# Altium PCB Ixora.PcbDoc (part 9 of 13)
Units mm, origin at the board's own origin, x right, y up, seen from the top; angles counter-clockwise.
Board outline 125 x 90 mm, 6 copper layers (Top Layer, GND, Mid-Layer 1, Mid-Layer 2, POWER, Bottom Layer), stack 1.561 mm thick; 454 components, 512 nets, 2071 pads, 863 vias.
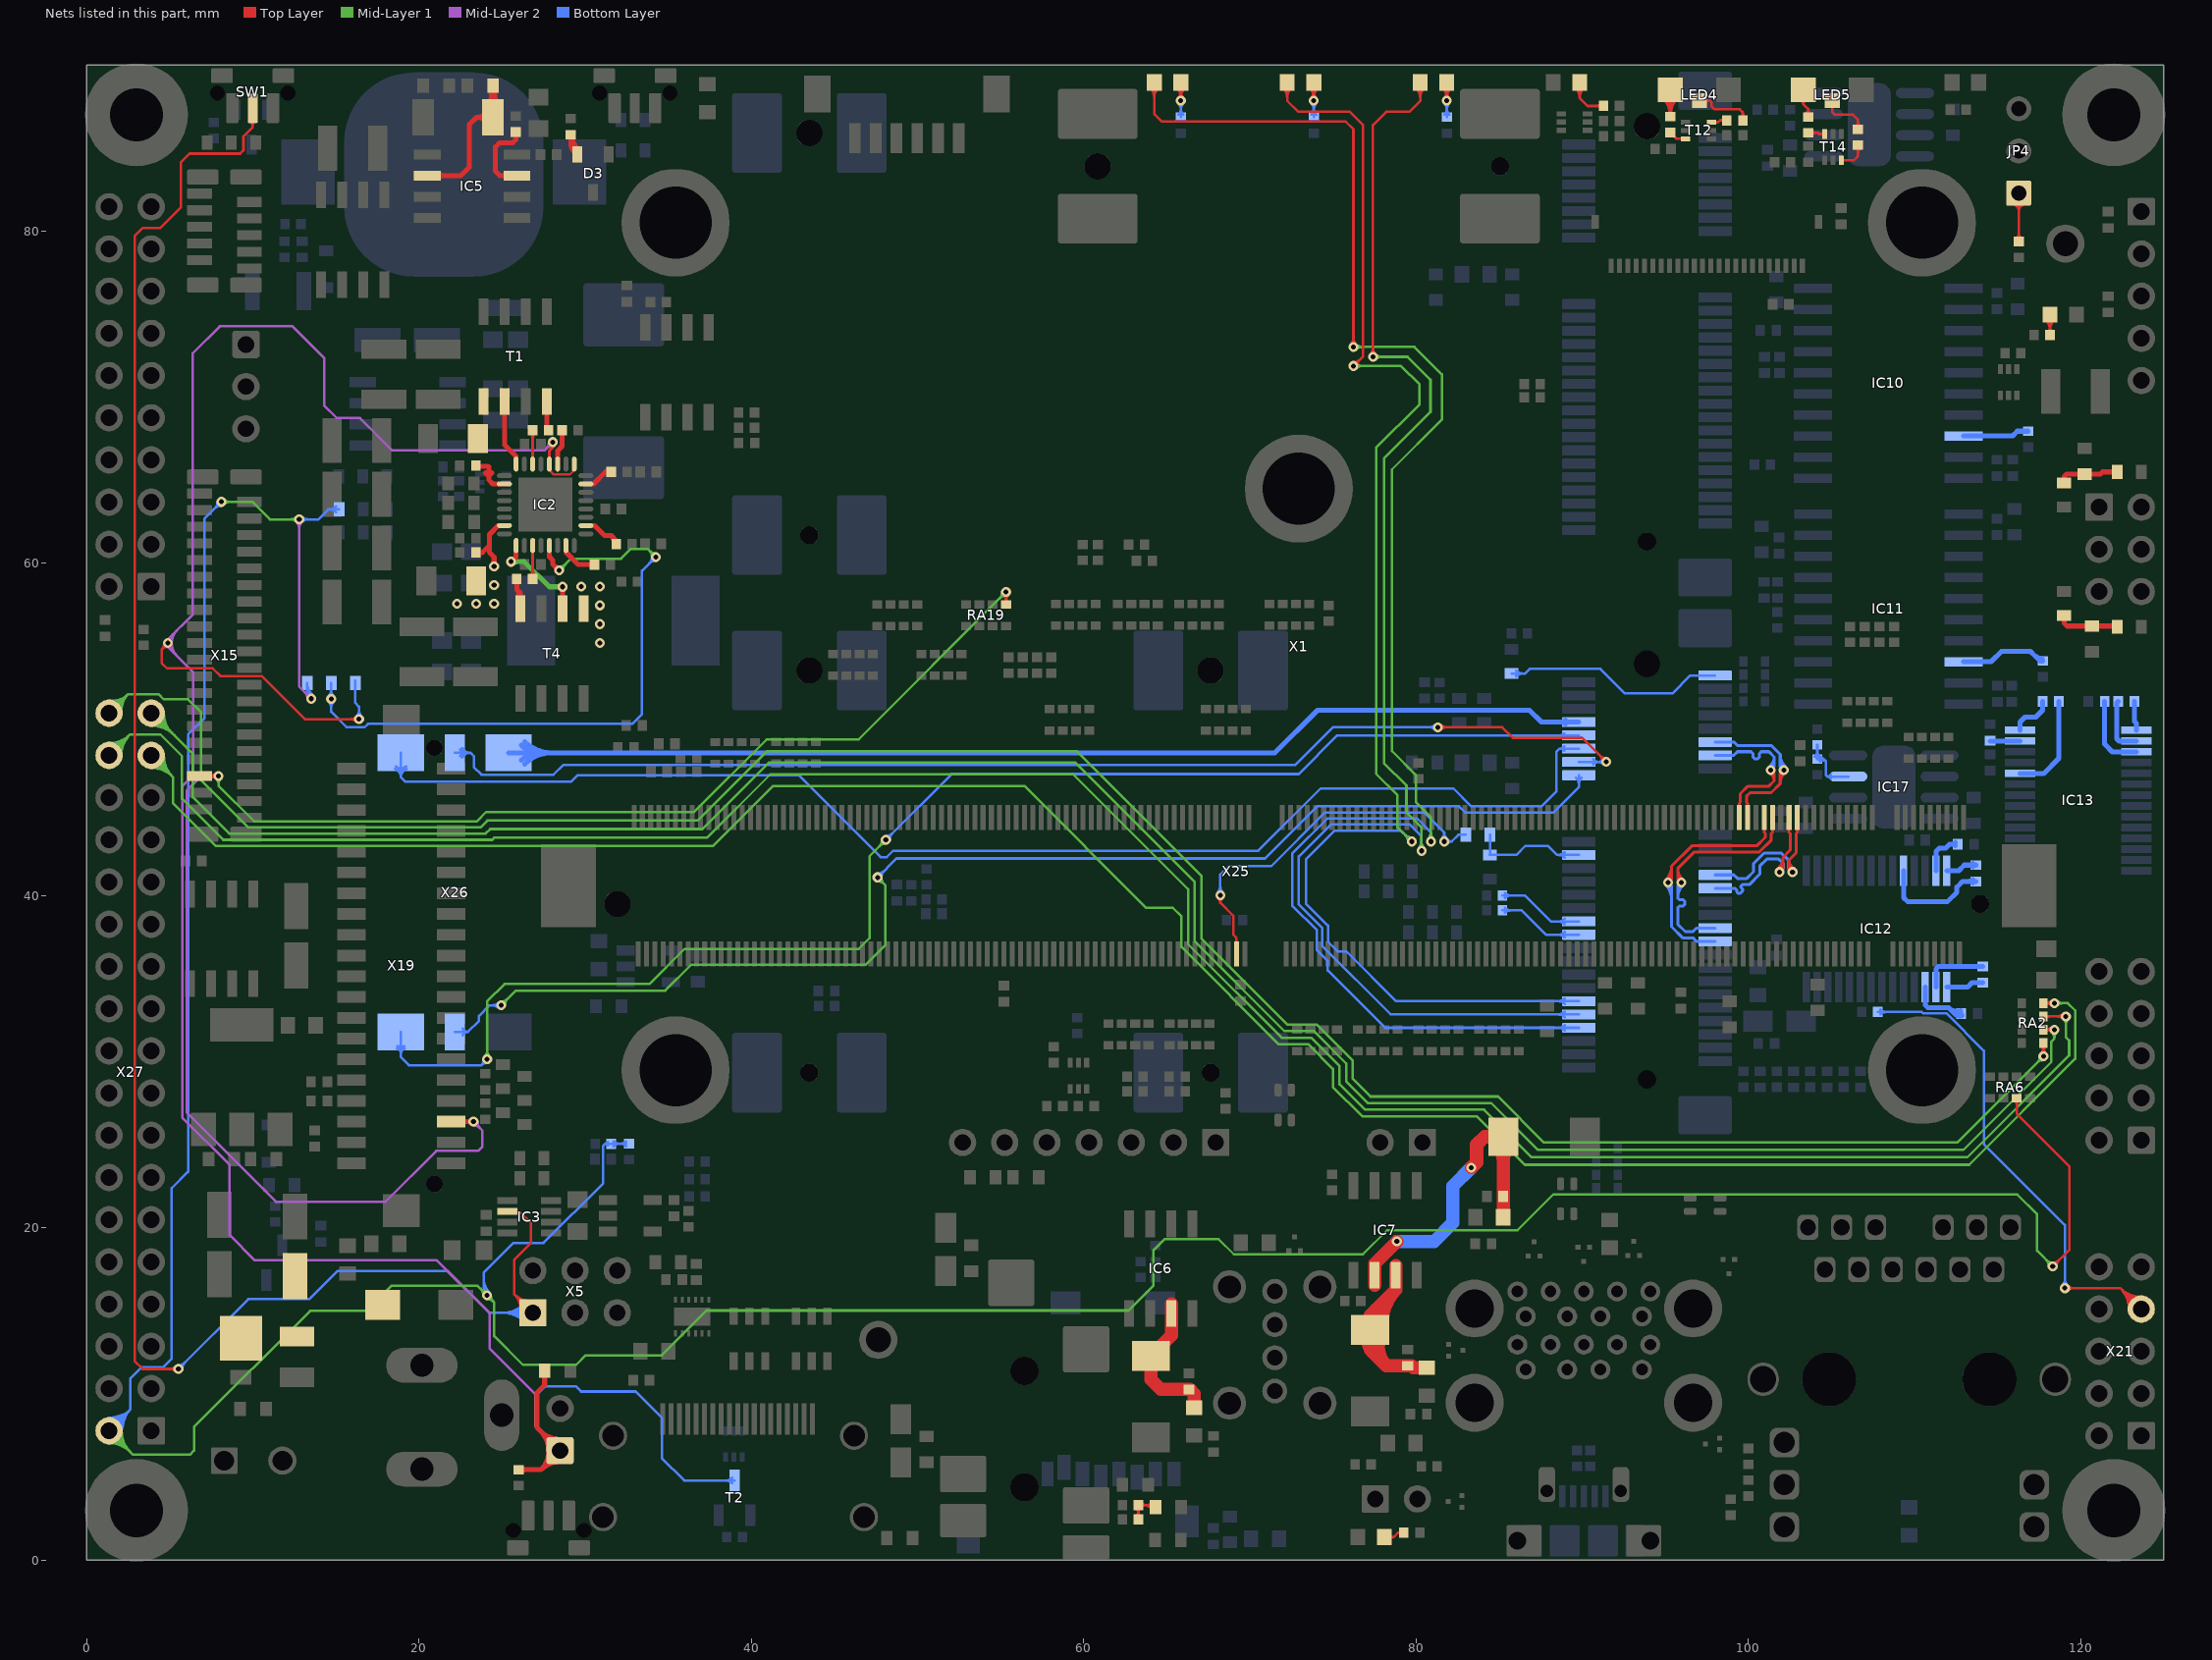
[diagram p13: the nets of this part, all layers, seen from the top]

## Via types
v1: diameter 0.6, hole 0.3, Top Layer to Bottom Layer, tented both sides, 852 vias
v2: diameter 0.6, hole 0.3, Top Layer to Bottom Layer, 11 vias

## Nets (pads, with @x,y where several pads share a name; then routed paths per layer and width w, separated by ;. In a path a pad name is that pad's centre, name@x,y a point inside that pad or via, vN(x,y) a via of type N, cw(c..) or ccw(c..) an arc to the next point about the centre after c; other vN are vias at no path point) (continued)
NetC49_1: C49.1 IC5.2 OSC1.1 | length 14.9
  Top Layer w0.3: IC5.2@20.508,83.337 22.53,83.337 23.038,83.845 23.038,86.411 23.473,86.846 ; IC5.2@21.216,83.231 cw(c21.472,82.975) 21.472,83.337 cw(c21.472,83.7) IC5.2@21.216,83.443 ; OSC1.1@24.065,86.548 ccw(c23.473,86.109) 23.473,86.846 ; OSC1.1@24.065,87.144 cw(c23.473,87.583) 23.473,86.846 ; OSC1.1@24.113,87.65 ccw(c23.259,88.503) 24.466,88.503 ccw(c25.673,88.503) OSC1.1@24.82,87.65 ; C49.1@24.293,88.585 cw(c23.736,88.263) 24.357,88.097 ; C49.1@24.325,88.544 cw(c23.984,88.202) 24.466,88.202 cw(c24.949,88.202) C49.1@24.608,88.544 ; C49.1@24.366,88.512 cw(c24.205,88.233) 24.516,88.316 ; 24.416,88.316 cw(c24.727,88.233) C49.1@24.566,88.512 ; C49.1@24.466,88.76 OSC1.1@24.466,86.846 23.473,86.846 ; 24.575,88.097 cw(c25.197,88.263) C49.1@24.64,88.585
NetC56_2: C56.2 C57.1 IC6.7 L11.1 | length 8.8
  Top Layer w0.8: IC6.7@65.285,15.42 IC6.7@65.285,14.85 65.285,13.535 C57.1@64.05,12.3 64.05,10.88 64.643,10.287 66.396,10.287 66.65,10.033 L11.1@66.65,9.19
NetC59_2: C59.2 C60.1 IC7.6 L12.1 | length 22.7
  Top Layer w0.8: IC7.6@77.515,16.55 IC7.6@77.515,17.15 77.515,17.856 v1(78.85,19.191) ; v1(83.331,23.635) 83.65,23.954 83.65,25.02 84.13,25.5 ; C60.1@84.878,25.166 ccw(c84.13,24.496) 84.13,25.5 ; C60.1@84.878,25.834 cw(c84.13,26.504) 84.13,25.5 ; C60.1@84.896,24.896 cw(c84.043,24.043) 85.25,24.043 cw(c86.457,24.043) C60.1@85.604,24.896 ; L12.1@85.25,20.55 L12.1@85.25,20.65 C59.2@85.25,21.9 C60.1@85.25,25.5 84.13,25.5
  Bottom Layer w0.8: v1(78.85,19.191) 81.091,19.191 82.22,20.32 82.22,22.524 v1(83.331,23.635)
NetC62_2: C62.2 C63.1 IC7.7 L16.1 | length 19.2
  Top Layer w0.8: C63.1@76.898,13.519 cw(c76.06,12.674) 77.25,12.674 ; C63.1@77.203,13.834 cw(c78.745,14.044) 77.644,15.144 ; C63.1@77.237,14.018 ccw(c78.385,13.39) 77.459,12.465 ; C63.1@77.602,13.519 ccw(c78.44,12.674) 77.25,12.674 ; C63.1@77.939,13.634 ccw(c79.36,12.856) 78.214,11.71 ; C63.1@77.995,13.942 cw(c80.752,14.317) 78.785,16.285 ; IC7.7@78.785,17.75 IC7.7@78.785,17.15 78.785,16.285 ; L16.1@80.65,11.59 79.863,11.59 79.743,11.71 C62.2@79.5,11.71 78.214,11.71 77.25,12.674 ; 77.25,12.674 C63.1@77.25,13.874 77.25,14.75 78.785,16.285
NetC112_2: C112.2 R107.1 R108.1 | length 3.7
  Top Layer w0.3: R107.1@119,64.83 119,65.225 119.146,65.371 C112.2@120.245,65.371 121.185,65.371 121.314,65.5 R108.1@122.19,65.5
NetC121_2: C121.2 R113.1 R114.1 | length 3.7
  Top Layer w0.3: R114.1@119,56.85 119,56.4 119.175,56.225 C121.2@120.685,56.225 R113.1@122.147,56.225
NetC123_1: C123.1 IC12.3 | length 5.3
  Bottom Layer w0.3: IC12.3@110.643,34.5 110.643,33.415 110.808,33.25 112.05,33.25 ; 112.401,32.9 ccw(c112.722,33.221) C123.1@112.858,32.787 ; C123.1@112.711,32.801 ccw(c112.472,32.562) 112.472,32.9 ccw(c112.472,33.238) C123.1@112.711,32.999 ; C123.1@112.768,33.074 cw(c112.555,33.755) 112.05,33.25 ; C123.1@112.81,32.9 112.4,32.9 112.05,33.25
NetC124_2: C124.2 IC12.27 | length 3
  Bottom Layer w0.3: IC12.27@111.293,41.5 111.293,42.662 111.481,42.85 111.862,42.85 112.112,43.1 C124.2@112.428,43.1 ; C124.2@112.456,43.001 ccw(c112.217,42.762) 112.217,43.1 ccw(c112.217,43.438) C124.2@112.456,43.199
NetC125_1: C125.1 IC12.24 | length 7.3
  Bottom Layer w0.3: IC12.24@109.343,41.5 109.343,39.882 109.575,39.65 111.989,39.65 112.548,40.208 112.548,40.513 112.894,40.86 C125.1@113.697,40.86 ; C125.1@113.507,40.761 ccw(c113.268,40.522) 113.268,40.86 ccw(c113.268,41.198) C125.1@113.507,40.959
NetC125_2: C125.2 IC12.28 | length 2.4
  Bottom Layer w0.3: IC12.28@111.943,41.5 112.659,41.5 112.999,41.84 C125.2@113.697,41.84 ; C125.2@113.507,41.741 ccw(c113.268,41.502) 113.268,41.84 ccw(c113.268,42.178) C125.2@113.507,41.939
NetC126_1: C126.1 IC12.2 | length 4
  Bottom Layer w0.3: IC12.2@111.293,34.5 111.293,35.601 111.432,35.74 C126.1@114.1,35.74
NetC126_2: C126.2 IC12.1 | length 2.3
  Bottom Layer w0.3: IC12.1@111.943,34.5 113.2,34.5 113.46,34.76 C126.2@114.1,34.76
NetC128_1: C128.1 IC13.3 | length 4.7
  Bottom Layer w0.3: C128.1@121.44,51.7 121.44,49.12 121.906,48.654 IC13.3@123.35,48.654
NetC129_2: C129.2 IC13.27 | length 1.8
  Bottom Layer w0.3: C129.2@114.545,49.304 IC13.27@116.35,49.304
NetC130_1: C130.1 IC13.2 | length 3.5
  Bottom Layer w0.3: C130.1@122.26,51.7 122.175,51.615 122.175,49.45 122.321,49.304 IC13.2@123.35,49.304
NetC130_2: C130.2 IC13.1 | length 1.8
  Bottom Layer w0.3: C130.2@123.24,51.7 123.24,50.485 123.35,50.375 IC13.1@123.35,49.954
NetC131_1: C131.1 IC13.24 | length 6.2
  Bottom Layer w0.3: IC13.24@116.35,47.354 117.778,47.354 118.69,48.266 C131.1@118.69,51.7
NetC131_2: C131.2 IC13.28 | length 2.7
  Bottom Layer w0.3: IC13.28@116.35,49.954 116.35,50.454 116.646,50.75 117.3,50.75 117.71,51.16 C131.2@117.71,51.7
NetC132_1: C132.1 R148.1 R149.2 | length 5.7
  Top Layer w0.15: R148.1@63.146,2.637 ccw(c62.787,2.996) 63.294,2.996 ccw(c63.801,2.996) R148.1@63.443,2.637 ; R149.2@63.146,3.154 cw(c62.787,2.795) 63.294,2.795 cw(c63.801,2.795) R149.2@63.443,3.154 ; R148.1@63.294,2.464 R149.2@63.294,3.327 64.326,3.327 C132.1@64.328,3.325 ; R149.2@63.443,3.179 cw(c63.801,2.82) 63.801,3.327 cw(c63.801,3.834) R149.2@63.443,3.476 ; R149.2@63.566,3.327 cw(c63.566,2.529) C132.1@64.131,3.094 ; 63.756,3.327 ccw(c63.756,3.857) C132.1@64.131,3.483 ; 63.929,3.327 cw(c63.929,2.891) C132.1@64.237,3.2
NetD1_1: D1.1 D2.1 F1.2 L1.1
NetD3_2: D3.2 R38.1 | length 4.8
  Top Layer w0.3: R38.1@29.053,85.708 cw(c28.823,85.478) 29.149,85.478 cw(c29.475,85.478) R38.1@29.244,85.708 ; R38.1@29.106,85.687 cw(c28.951,85.418) 29.251,85.498 ; 29.149,85.278 ccw(c29.88,85.278) D3.2@29.44,84.695 ; 29.257,85.478 cw(c29.586,85.566) R38.1@29.291,85.736 ; D3.2@29.269,85.081 cw(c29.002,84.814) D3.2@29.38,84.814 ; D3.2@29.285,85.066 ccw(c29.53,85.311) D3.2@29.53,84.964 ; D3.2@29.53,84.614 29.53,84.821 29.149,85.202 29.149,85.88 ccw(c30.334,85.88) D3.2@29.62,84.934
NetIC2_2: IC2.2 R22.2 | length 2.9
  Top Layer w0.3: IC2.2@30.05,62.275 30.575,62.275 31.179,61.671 31.569,61.671 ; R22.2@31.74,61.203 ccw(c31.15,61.253) 31.569,61.671 ; R22.2@31.875,61.167 31.875,61.365 31.569,61.671
NetIC2_7: IC2.7 R10.2 | length 1.8
  Top Layer w0.3: IC2.7@30.05,64.775 30.507,64.775 31.232,65.5 R10.2@31.57,65.5
NetIC2_11: IC2.11 R6.1 | length 2.7
  Top Layer w0.3: IC2.11@28.35,65.975 28.35,66.778 28.62,67.048 R6.1@28.62,68.025 ; R6.1@28.525,67.905 cw(c28.294,67.674) 28.62,67.674 cw(c28.946,67.674) R6.1@28.715,67.905
NetIC2_14: IC2.14 R4.1 | length 2.8
  Top Layer w0.19: R4.1@26.716,67.866 cw(c26.391,67.541) 26.85,67.541 cw(c27.309,67.541) R4.1@26.984,67.866 ; IC2.14@26.85,65.975 R4.1@26.85,68.025
NetIC2_16: IC2.16 T1.2 | length 4.8
  Top Layer w0.3: T1.2@25.064,69.144 cw(c24.808,68.888) 25.17,68.888 cw(c25.532,68.888) T1.2@25.276,69.144 ; T1.2@25.315,69.895 T1.2@25.17,69.75 25.17,67.118 25.85,66.438 IC2.16@25.85,65.975
NetIC2_18: IC2.18 R9.1 R12.1 T1.1 | length 3.2
  Top Layer w0.3: R12.1@23.43,65.85 24.168,65.85 24.206,65.811 24.206,65.253 ; 24.016,65.443 24.206,65.253 ; 24.397,65.443 24.206,65.253 ; IC2.18@25.15,64.775 24.455,64.775 24.206,65.024 24.206,65.253
NetIC2_23: IC2.23 R21.1 R23.1 T4.1 | length 4.1
  Top Layer w0.3: R23.1@23.43,60.65 23.82,60.65 24.244,61.074 ; v1(24.526,59.817) 24.526,60.384 24.25,60.66 24.25,61.741 24.784,62.275 IC2.23@25.15,62.275
  other v1: 30.898,55.216 30.898,56.344 30.898,57.472 22.3,57.575 23.45,57.575 24.526,57.575 29.77,58.6 30.898,58.6 24.526,58.69
NetIC2_25: IC2.25 T4.2 | length 9.2
  Top Layer w0.3: v1(25.55,60.1) 25.85,60.4 IC2.25@25.85,61.075 ; v1@25.55,60.25 ccw(c25.55,60.612) 25.806,60.356 ccw(c26.062,60.1) v1@25.7,60.1 ; T4.2@28.544,57.885 ccw(c28.288,58.141) 28.65,58.141 ccw(c29.012,58.141) T4.2@28.756,57.885 ; v1@28.544,58.484 cw(c28.288,58.228) 28.65,58.228 cw(c29.012,58.228) v1@28.756,58.484 ; T4.2@28.65,57.05 T4.2@28.65,57.279 v1(28.65,58.59)
  Mid-Layer 1 w0.3: v1(25.55,60.1) 26.336,60.1 27.846,58.59 v1(28.65,58.59) ; v1@25.656,59.994 cw(c25.912,59.738) 25.912,60.1 cw(c25.912,60.462) v1@25.656,60.206 ; v1@28.544,58.484 ccw(c28.288,58.228) 28.288,58.59 ccw(c28.288,58.952) v1@28.544,58.696
NetIC2_27: IC2.27 R16.1 | length 2.7
  Top Layer w0.19: R16.1@26.716,59.234 ccw(c26.391,59.559) 26.85,59.559 ccw(c27.309,59.559) R16.1@26.984,59.234 ; R16.1@26.85,59.075 IC2.27@26.85,61.075
NetIC2_31: IC2.31 R7.2 | length 2.9
  Top Layer w0.3: IC2.31@28.85,61.075 28.85,60.67 29.595,59.925 R7.2@30.57,59.925 ; R7.2@30.475,59.83 ccw(c30.244,59.599) 30.244,59.925 ccw(c30.244,60.251) R7.2@30.475,60.02
NetIC5_7: IC5.7 R43.1 | length 5.8
  Top Layer w0.3: IC5.7@25.302,83.231 ccw(c25.046,82.975) 25.046,83.337 ccw(c25.046,83.7) IC5.7@25.302,83.443 ; R43.1@25.736,85.861 cw(c25.506,85.63) 25.832,85.63 cw(c26.158,85.63) R43.1@25.927,85.861 ; R43.1@25.832,85.956 25.832,85.496 25.654,85.319 24.867,85.319 24.613,85.065 24.613,83.591 24.867,83.337 IC5.7@25.908,83.337
NetIC10_18: IC10.18 R106.2 | length 4
  Bottom Layer w0.3: IC10.18@112.95,67.67 115.901,67.67 116.185,67.954 R106.2@116.825,67.954
NetIC11_18: IC11.18 R112.2 | length 5.7
  Bottom Layer w0.3: IC11.18@112.955,54.08 114.608,54.08 115.24,54.712 116.967,54.712 117.246,54.432 ; R112.2@117.674,54.266 cw(c117.729,55.042) 117.428,54.325 cw(c117.729,55.042) 117.39,54.342 cw(c117.729,55.042) 117.348,54.364 cw(c117.729,55.042) 117.298,54.395 cw(c117.729,55.042) 117.296,54.396 cw(c117.729,55.042) 117.294,54.398 cw(c117.729,55.042) 117.273,54.412 cw(c117.729,55.042) 117.246,54.432 ; R112.2@117.71,54.13 117.549,54.13 117.246,54.432
NetJP4_1: JP4.1 R129.2 | length 5.5
  Top Layer w0.15: JP4.1@116.008,81.575 cw(c115.865,81.194) 116.271,81.194 cw(c116.678,81.194) JP4.1@116.535,81.575 ; JP4.1@116.06,81.715 cw(c115.946,81.411) 116.271,81.411 cw(c116.597,81.411) JP4.1@116.482,81.715 ; R129.2@116.123,79.549 ccw(c115.764,79.907) 116.271,79.907 ccw(c116.778,79.907) R129.2@116.42,79.549 ; R129.2@116.271,79.372 JP4.1@116.271,82.277
NetLED2_2: LED2.2 R24.2 | length 4.3
  Top Layer w0.15: LED2.2@117.889,74.668 cw(c117.248,74.027) 118.154,74.027 cw(c119.059,74.027) LED2.2@118.419,74.668 ; LED2.2@117.995,74.774 cw(c117.61,74.39) 118.154,74.39 cw(c118.697,74.39) LED2.2@118.313,74.774 ; R24.2@118.005,73.923 ccw(c117.647,74.282) 118.154,74.282 ccw(c118.661,74.282) R24.2@118.302,73.923 ; R24.2@118.154,73.75 LED2.2@118.154,74.958
NetLED3_2: LED3.2 R58.2 | length 2.2
  Top Layer w0.15: LED3.2@78.1,1.4 78.65,1.4 ; LED3.2@78.449,1.263 cw(c78.65,1.184) 78.65,1.4 ; LED3.2@78.449,1.537 ccw(c78.65,1.616) 78.65,1.4 ; R58.2@79.088,1.553 ccw(c78.907,1.449) 78.907,1.657 ; R58.2@79.088,1.762 cw(c78.907,1.865) 78.907,1.657 ; R58.2@79.27,1.657 78.907,1.657 ; 78.65,1.4 78.907,1.657
NetLED4_C1: LED4.C1 R67.2 | length 8.3
  Top Layer w0.15: LED4.C1@94.833,88.018 cw(c93.73,86.893) R67.2@95.305,86.893 ; LED4.C1@94.938,88.125 cw(c94.08,87.25) 95.305,87.25 cw(c96.53,87.25) LED4.C1@95.672,88.125 ; LED4.C1@95.043,88.232 cw(c94.43,87.607) 95.305,87.607 cw(c96.18,87.607) LED4.C1@95.567,88.232 ; R67.2@95.152,87.037 ccw(c94.781,87.407) 95.305,87.407 ; R67.2@95.3,86.888 R67.2@95.305,86.893 ; 95.305,87.383 ccw(c95.795,87.383) R67.2@95.448,87.037 ; LED4.C1@95.305,88.5 R67.2@95.305,86.893 ; LED4.C1@95.777,88.018 ccw(c96.88,86.893) R67.2@95.305,86.893
NetLED4_C2: LED4.C2 R66.2 | length 4.9
  Top Layer w0.15: LED4.C2@97.055,87.85 97.672,87.85 ; LED4.C2@97.388,87.678 cw(c97.672,87.531) 97.672,87.85 ; LED4.C2@97.388,88.022 ccw(c97.672,88.169) 97.672,87.85 ; R66.2@99.529,86.848 ccw(c99.268,87.15) 99.667,87.15 ; R66.2@99.667,86.665 99.667,87.15 ; R66.2@99.805,86.848 cw(c100.066,87.15) 99.667,87.15 ; 97.672,87.85 97.79,87.732 97.79,87.503 97.968,87.325 99.492,87.325 99.667,87.15
NetLED5_C1: LED5.C1 R45.1 | length 3
  Top Layer w0.15: LED5.C1@103.148,87.843 cw(c103.101,87.645) 103.305,87.645 ; LED5.C1@103.305,88.5 103.305,87.645 ; R45.1@103.457,87.021 ccw(c103.15,87.35) 103.6,87.35 ; LED5.C1@103.462,87.843 ccw(c103.509,87.645) 103.305,87.645 ; R45.1@103.6,86.867 103.6,87.35 ; R45.1@103.743,87.021 cw(c104.05,87.35) 103.6,87.35 ; 103.305,87.645 103.6,87.35
NetLED5_C2: LED5.C2 R44.1 | length 3.8
  Top Layer w0.15: LED5.C2@105.055,87.85 105.055,87.145 105.184,87.016 106.284,87.016 106.6,86.7 R44.1@106.6,86.13 ; R44.1@106.452,86.279 ccw(c106.093,86.637) 106.6,86.637 ccw(c107.107,86.637) R44.1@106.749,86.279
NetLED10_2: LED10.2 R123.2 | length 5.5
  Top Layer w0.165: LED10.2@89.595,88.64 cw(c88.968,88.013) 89.855,88.013 cw(c90.742,88.013) LED10.2@90.115,88.64 ; LED10.2@89.712,88.757 cw(c89.366,88.411) 89.855,88.411 cw(c90.344,88.411) LED10.2@89.998,88.757 ; LED10.2@89.855,88.95 89.855,87.996 90.322,87.528 R123.2@91.288,87.528 ; R123.2@91.144,87.385 ccw(c90.799,87.04) 90.799,87.528 ccw(c90.799,88.017) R123.2@91.144,87.672
NetLED11_2: LED11.2 R139.2 | length 6.9
  Top Layer w0.15: LED11.2@81.59,88.635 cw(c80.95,87.995) 81.855,87.995 cw(c82.76,87.995) LED11.2@82.12,88.635 ; v1@81.696,88.009 ccw(c81.312,88.393) 81.855,88.393 ccw(c82.398,88.393) v1@82.014,88.009 ; LED11.2@81.696,88.741 cw(c81.312,88.357) 81.855,88.357 cw(c82.398,88.357) LED11.2@82.014,88.741 ; v1(81.855,87.85) 81.855,88.945 LED11.2@81.86,88.95
  Bottom Layer w0.15: v1@81.696,87.691 cw(c81.312,87.307) 81.855,87.307 cw(c82.398,87.307) v1@82.014,87.691 ; R139.2@81.707,86.998 ccw(c81.348,87.356) 81.855,87.356 ccw(c82.362,87.356) R139.2@82.004,86.998 ; R139.2@81.855,86.869 v1(81.855,87.85)
NetLED12_2: LED12.2 R138.2 | length 6.5
  Top Layer w0.15: LED12.2@73.59,88.635 cw(c72.962,88.007) v1@73.85,88.007 ; v1@73.691,88.009 ccw(c73.307,88.393) 73.85,88.393 ccw(c74.393,88.393) v1@74.009,88.009 ; LED12.2@73.696,88.741 cw(c73.324,88.369) 73.85,88.369 ; v1(73.85,87.85) LED12.2@73.85,88.6 ; v1@73.85,87.983 cw(c74.772,87.983) LED12.2@74.12,88.635 ; 73.85,88.345 cw(c74.41,88.345) LED12.2@74.014,88.741
  Bottom Layer w0.15: v1@73.691,87.691 cw(c73.307,87.307) 73.85,87.307 cw(c74.393,87.307) v1@74.009,87.691 ; R138.2@73.702,86.998 ccw(c73.343,87.356) 73.85,87.356 ccw(c74.357,87.356) R138.2@73.998,86.998 ; R138.2@73.85,86.849 v1(73.85,87.85)
NetLED13_2: LED13.2 R140.2 | length 6.9
  Top Layer w0.15: LED13.2@65.59,88.635 cw(c64.962,88.007) v1@65.85,88.007 ; v1@65.691,88.009 ccw(c65.307,88.393) 65.85,88.393 ccw(c66.393,88.393) v1@66.009,88.009 ; LED13.2@65.696,88.741 cw(c65.324,88.369) 65.85,88.369 ; v1(65.85,87.85) 65.85,88.945 LED13.2@65.855,88.95 ; v1@65.85,87.982 cw(c66.773,87.982) LED13.2@66.12,88.635 ; 65.85,88.345 cw(c66.411,88.345) LED13.2@66.014,88.741
  Bottom Layer w0.15: v1@65.691,87.691 cw(c65.307,87.307) 65.85,87.307 cw(c66.393,87.307) v1@66.009,87.691 ; R140.2@65.702,86.998 ccw(c65.343,87.356) 65.85,87.356 ccw(c66.357,87.356) R140.2@65.998,86.998 ; R140.2@65.85,86.869 v1(65.85,87.85)
NetR4_2: R4.2 T1.4 | length 1.8
  Top Layer w0.3: T1.4@27.71,69.75 27.71,68.125 R4.2@27.81,68.025
NetR16_2: R16.2 T4.4 | length 3.8
  Top Layer w0.3: R16.2@25.795,58.955 cw(c25.564,58.724) 25.89,58.724 cw(c26.216,58.724) R16.2@25.985,58.955 ; R16.2@25.89,59.075 25.89,58.438 ; T4.4@25.978,57.849 ccw(c25.537,58.084) 25.89,58.438 ; T4.4@26.004,57.885 ccw(c25.748,58.141) 26.11,58.141 ccw(c26.472,58.141) T4.4@26.216,57.885 ; T4.4@26.11,57.05 T4.4@26.11,57.279 26.11,58.218 25.89,58.438
NetR44_2: R44.2 T14.6 | length 2.9
  Top Layer w0.15: T14.6@105.6,84.26 106.36,84.26 106.6,84.5 R44.2@106.6,85.17 ; T14.6@105.653,84.207 cw(c105.781,84.079) 105.781,84.26 cw(c105.781,84.441) T14.6@105.653,84.313 ; R44.2@106.452,85.022 cw(c106.093,84.663) 106.6,84.663 cw(c107.107,84.663) R44.2@106.749,85.022
NetR45_2: R45.2 T14.3 | length 2.1
  Top Layer w0.15: R45.2@103.6,85.907 104.183,85.907 104.25,85.84 T14.3@104.6,85.84 ; R45.2@103.773,85.759 cw(c104.132,85.4) 104.132,85.907 cw(c104.132,86.414) R45.2@103.773,86.056 ; T14.3@104.547,85.787 ccw(c104.419,85.659) 104.419,85.84 ccw(c104.419,86.021) T14.3@104.547,85.893
NetR66_1: R66.1 T12.6 | length 1.8
  Top Layer w0.165: T12.6@97.793,86.555 98.188,86.555 98.298,86.665 ; T12.6@97.975,86.507 cw(c98.091,86.392) 98.091,86.555 cw(c98.091,86.718) T12.6@97.975,86.603 ; R66.1@98.546,86.542 ccw(c98.298,86.353) 98.298,86.665 ; R66.1@98.546,86.788 cw(c98.298,86.977) 98.298,86.665 ; R66.1@98.682,86.665 98.298,86.665
NetR67_1: R67.1 T12.3 | length 2.1
  Top Layer w0.15: R67.1@95.3,85.928 95.673,85.555 ; R67.1@95.325,85.718 cw(c95.325,85.272) 95.641,85.587 ; R67.1@95.535,85.917 ccw(c96.009,85.891) 95.673,85.555 ; T12.3@96.025,85.502 ccw(c95.897,85.374) 95.897,85.555 ccw(c95.897,85.736) T12.3@96.025,85.608 ; T12.3@96.213,85.555 95.673,85.555
NetR115_2: R115.2 X21.7 | length 38.1
  Top Layer w0.15: v1(119.05,16.383) 122.377,16.383 ; v1@119.209,16.224 cw(c119.593,15.84) 119.593,16.383 cw(c119.593,16.926) v1@119.209,16.542 ; X21.7@122.89,15.127 ccw(c121.138,15.144) 122.377,16.383 ; X21.7@123.04,15.126 ccw(c121.639,15.139) 122.63,16.13 ccw(c123.621,17.121) X21.7@123.634,15.72 ; X21.7@123.19,15.124 ccw(c122.139,15.135) 122.882,15.878 ccw(c123.625,16.621) X21.7@123.636,15.57 ; X21.7@123.633,15.87 cw(c123.616,17.622) 122.377,16.383 ; X21.7@123.691,15.069 X21.7@123.64,15.12 122.377,16.383
  Bottom Layer w0.15: R115.2@107.787,33 110.434,33 110.509,32.925 111.916,32.925 114.173,30.668 114.173,25.058 119.05,20.181 v1(119.05,16.383) v1@119.05,16.307 ; R115.2@107.936,32.852 cw(c108.294,32.493) 108.294,33 cw(c108.294,33.507) R115.2@107.936,33.149 ; v1@118.891,16.542 ccw(c118.507,16.926) 119.05,16.926 ccw(c119.593,16.926) v1@119.209,16.542
PCIE1_C_FB: IC17.7 R143.1 R144.2 | length 6.5
  Bottom Layer w0.15: R143.1@104.002,48.378 ccw(c103.643,48.737) 104.15,48.737 ccw(c104.657,48.737) R143.1@104.298,48.378 ; R143.1@104.112,48.295 cw(c104.284,48.118) R143.1@104.458,48.292 ; R144.2@104.15,49.07 R143.1@104.15,48.23 104.52,48.23 ; R143.1@104.217,48.187 cw(c104.39,48.008) 104.566,48.184 ; R143.1@104.321,48.079 cw(c104.496,47.899) 104.673,48.077 ; R143.1@104.362,48.134 cw(c104.52,48.052) 104.52,48.23 ; R143.1@104.362,48.326 ccw(c104.52,48.408) 104.52,48.23 ; IC17.7@104.969,47.054 ccw(c104.765,46.932) 104.765,47.17 ; IC17.7@104.969,47.286 cw(c104.765,47.408) 104.765,47.17 ; IC17.7@106.012,47.17 104.765,47.17 ; 104.52,48.23 104.673,48.077 ; 104.673,48.077 104.673,47.262 104.765,47.17
PCIE1_CLK_N: X1.53 X25.11 | length 12.6
  Top Layer w0.18: X1.53@99.95,44.7 99.95,45.561 99.885,45.626 99.885,45.984 100.101,46.2 101.369,46.2 101.92,46.751 101.92,47.34 v1(102.13,47.55) ; 101.92,46.774 cw(c102.733,46.774) v1@102.254,47.431 ; 101.92,47.078 cw(c102.475,47.078) v1@102.148,47.526
  Bottom Layer w0.18: X25.11@98,49.25 99.127,49.25 99.342,49.035 101.388,49.035 101.92,48.503 ; 101.92,48.095 ccw(c102.628,48.095) v1@102.15,47.572 ; v1(102.13,47.55) 101.92,47.76 101.92,48.503 ; v1@102.272,47.705 cw(c103.002,48.503) 101.92,48.503
PCIE1_CLK_P: X1.55 X25.13 | length 12.1
  Top Layer w0.18: X1.55@99.45,44.7 99.45,45.561 99.515,45.626 99.515,46.138 99.947,46.57 101.216,46.57 101.55,46.904 101.55,47.34 v1(101.34,47.55) ; v1@101.246,47.413 cw(c101.001,46.921) 101.55,46.921 ; v1@101.327,47.523 cw(c101.146,47.162) 101.55,47.162
  Bottom Layer w0.18: X25.13@98,48.45 99.127,48.45 99.342,48.665 100.166,48.665 100.28,48.551 100.28,48.339 100.394,48.225 100.546,48.225 100.66,48.339 100.66,48.551 100.774,48.665 101.235,48.665 101.55,48.35 ; v1@101.221,47.723 ccw(c100.788,48.35) 101.55,48.35 ; v1@101.323,47.575 ccw(c101.025,48.007) 101.55,48.007 ; v1(101.34,47.55) 101.55,47.76 101.55,48.35
PCIE1_RX_N: X1.41 X25.23 | length 12.2
  Top Layer w0.18: 102.45,41.839 ccw(c102.898,41.839) v1@102.675,41.451 ; v1(102.66,41.425) 102.45,41.635 102.45,42.15 ; v1@102.764,41.607 cw(c103.076,42.15) 102.45,42.15 ; X1.41@102.95,44.7 102.95,43.811 102.885,43.746 102.885,42.585 102.45,42.15
  Bottom Layer w0.18: X25.23@98,41.25 99.127,41.25 99.342,41.035 99.905,41.035 100.315,41.445 100.315,41.933 100.952,42.57 101.98,42.57 102.45,42.1 ; 102.45,41.811 ccw(c102.85,41.811) v1@102.673,41.452 ; v1(102.66,41.425) 102.575,41.425 102.45,41.55 102.45,42.1 ; v1@102.753,41.613 cw(c102.992,42.1) 102.45,42.1
PCIE1_RX_P: X1.43 X25.25 | length 12.2
  Top Layer w0.18: v1@101.738,41.588 ccw(c101.162,42.303) 102.08,42.303 ; v1@101.851,41.448 ccw(c101.465,41.927) 102.08,41.927 ; v1(101.87,41.425) 102.08,41.635 102.08,42.303 ; X1.43@102.45,44.7 102.45,43.811 102.515,43.746 102.515,42.738 102.08,42.303